# KiCad board RadianceTKL.kicad_pcb (continued)
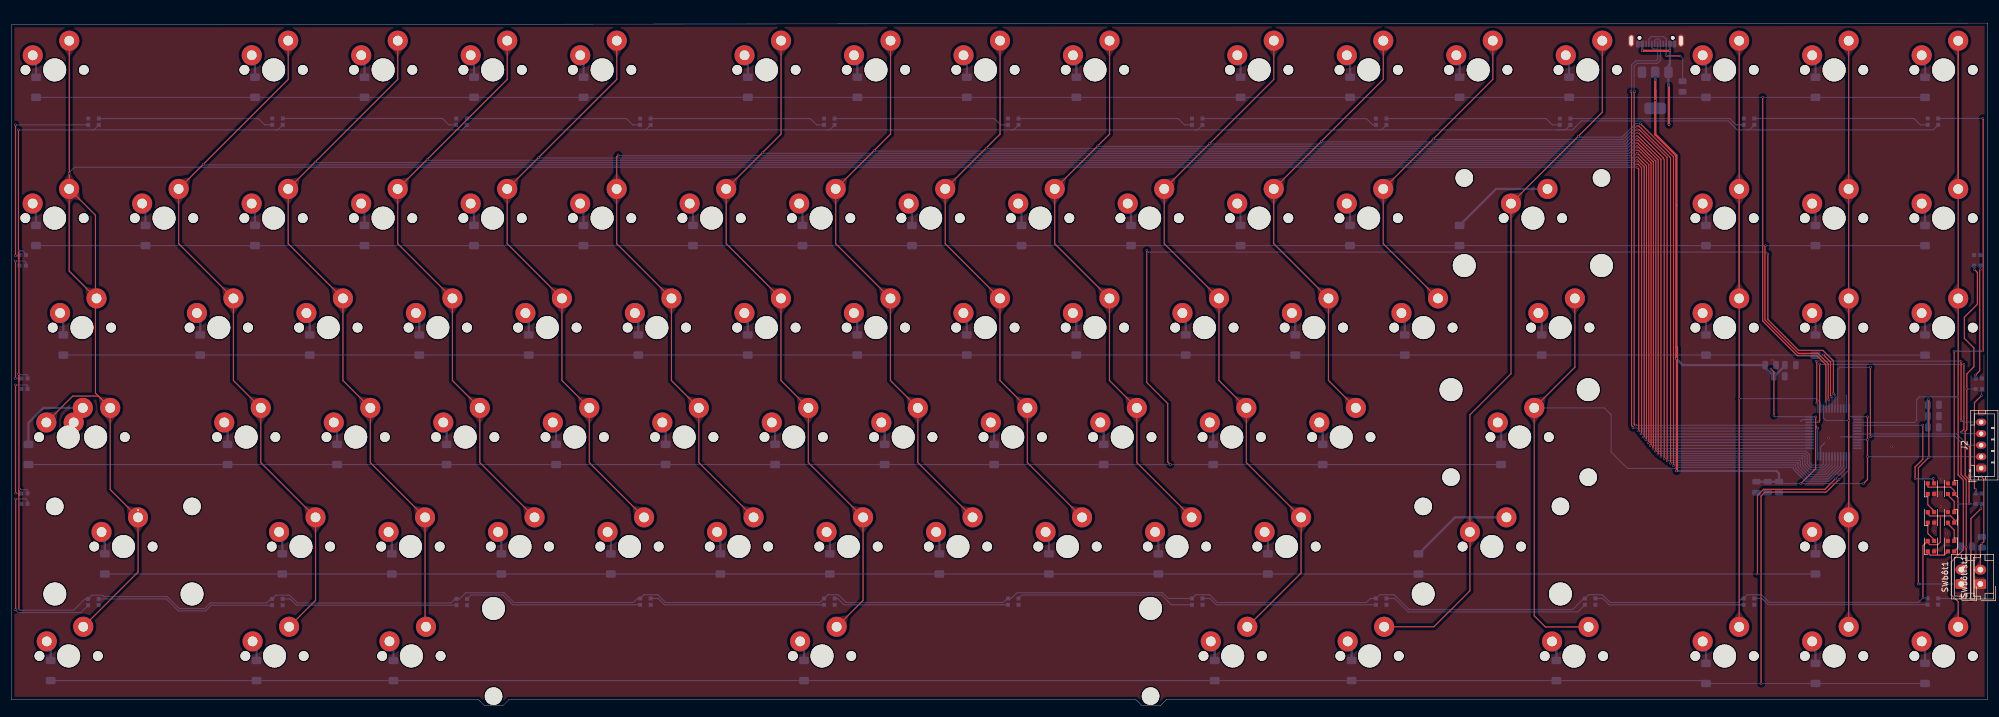
[diagram p0: board, top side]
## Nets (continued)
Net-(D26-A): D26.2 SW26.1
Net-(D27-A): D27.2 SW27.1
Net-(D28-A): D28.2 SW28.1
Net-(D29-A): D29.2 SW29.1
Net-(D30-A): D30.2 SW30.1
Net-(D31-A): D31.2 SW31.1
Net-(D32-A): D32.2 SW32.1
Net-(D33-DIN): D33.3 D88.1
Net-(D34-A): D34.2 SW34.1
Net-(D35-A): D35.2 SW35.1
Net-(D36-A): D36.2 SW36.1
Net-(D37-A): D37.2 SW37.1
Net-(D38-A): D38.2 SW38.1
Net-(D39-A): D39.2 SW39.1
Net-(D40-A): D40.2 SW40.1
Net-(D41-A): D41.2 SW41.1
Net-(D42-A): D42.2 SW42.1
Net-(D43-A): D43.2 SW43.1
Net-(D44-A): D44.2 SW44.1
Net-(D45-A): D45.2 SW45.1
Net-(D46-A): D46.2 SW46.1
Net-(D47-A): D47.2 SW47.1
Net-(D48-A): D48.2 SW48.1
Net-(D49-A): D49.2 SW49.1 SW1002.2
Net-(D50-A): D50.2 SW50.1
Net-(D51-A): D51.2 SW51.1
Net-(D52-A): D52.2 SW52.1
Net-(D53-A): D53.2 SW53.1
Net-(D54-A): D54.2 SW54.1
Net-(D55-A): D55.2 SW55.1
Net-(D56-A): D56.2 SW56.1
Net-(D57-A): D57.2 SW57.1
Net-(D58-A): D58.2 SW58.1
Net-(D59-A): D59.2 SW59.1
Net-(D60-A): D60.2 SW60.1
Net-(D61-A): D61.2 SW61.1
Net-(D62-A): D62.2 SW62.1
Net-(D63-A): D63.2 SW63.1
Net-(D64-A): D64.2 SW64.1
Net-(D65-A): D65.2 SW65.1
Net-(D66-A): D66.2 SW66.1
Net-(D67-A): D67.2 SW67.1
Net-(D68-A): D68.2 SW68.1
Net-(D69-A): D69.2 SW69.1
Net-(D70-A): D70.2 SW70.1
Net-(D71-A): D71.2 SW71.1
Net-(D72-A): D72.2 SW72.1
Net-(D73-A): D73.2 SW73.1
Net-(D74-A): D74.2 SW74.1
Net-(D75-A): D75.2 SW75.1
Net-(D76-A): D76.2 SW76.1
Net-(D77-A): D77.2 SW77.1
Net-(D78-A): D78.2 SW78.1
Net-(D79-A): D79.2 SW1000.2
Net-(D80-DOUT): D80.1 D89.3
Net-(D81-A): D81.2 SW81.1
Net-(D82-A): D82.2 SW82.1
Net-(D83-DOUT): D83.1 D84.3
Net-(D84-DOUT): D84.1 D85.3
Net-(D85-DOUT): D85.1 D87.3
Net-(D86-A): D86.2 SW86.1
Net-(D87-DOUT): D87.1 D88.3
Net-(D89-DOUT): D89.1 D91.3
Net-(D90-A): D90.2 SW90.1
Net-(D91-DOUT): D91.1 D92.3
Net-(D92-DOUT): D92.1 D98.3
Net-(D93-A): D93.2 SW93.1
Net-(D94-A): D94.2 SW94.1
Net-(D95-A): D95.2 SW95.1
Net-(D96-A): D96.2 SW96.1
Net-(D97-A): D97.2 SW97.1
Net-(D98-DOUT): D98.1 D99.3
Net-(D100-DIN): D99.1 D100.3
Net-(D100-DOUT): D100.1 D101.3
Net-(D101-DOUT): D101.1 D102.3
Net-(D102-DOUT): D102.1 D103.3
Net-(D103-DOUT): D103.1 D104.3
Net-(D104-DOUT): D104.1 D105.3
Net-(D105-DOUT): D105.1 D106.3
Net-(D106-DOUT): D106.1 D107.3
Net-(D107-DOUT): D107.1 D108.3
Net-(D108-DOUT): D108.1 D109.3
Net-(D109-DOUT): D109.1 D110.3
Net-(D110-DOUT): D110.1 D111.3
Net-(D111-DOUT): D111.1 D112.3
Net-(D112-DOUT): D112.1 D113.3
Net-(D113-DOUT): D113.1 D114.3
Net-(D114-DOUT): D114.1 D115.3
Net-(D115-DOUT): D115.1 D116.3
Net-(D116-DOUT): D116.1 D117.3
Net-(D117-DOUT): D117.1 D118.3
Net-(D118-DOUT): D118.1 D119.3
Net-(D119-DOUT): D119.1 D120.3
Net-(J1-CC1): J1.A5 J1.B5 R2.1

Pads without a net: D120 1; J1 A8 B8; U6 2 5 6 10 11 12 45 46

## Via types
v1: diameter 0.4, hole 0.3, Top to Bottom, 140 vias

## Routing (per net, layer and track width the routed paths; a pad name or vN(x,y) marks a point on that pad's centre or on a via; arc(x,y) is an arc through that point)
+3.3V: length 255.8
  Top w0.2: 313.85,48.8 313.85,41.2 v1(311.28,38.62) ; 313.85,48.8 313.85,48.62 v1(314.17,48.3) ; 313.85,48.8 313.85,50.17 v1(313.9,50.23) ; v1(322.17,38.62) 322.88,39.33 v1(322.88,43.33) 322.88,46.77 ; v1(306.08,58.55) 306.6,58.02 v1(306.6,50.48) ; v1(322.88,50.23) 322.88,46.77 ; 322.88,46.77 322.88,46.27 v1(322.85,46.25) ; v1(333.45,53.23) 333.55,53.12 v1(333.55,43.2) 331.72,41.38 v1(331.72,21.12)
  Top w0.4: 285.95,107.05 285.95,99.38 289.62,95.7 289.62,62.42 ; 285.95,107.05 v1(285.95,108.85) ; 285.95,107.05 v1(285.95,105.27) ; v1(289.65,40.82) 289.72,40.89 289.72,62.33 289.62,62.42 ; 289.62,62.42 v1(289.62,60.35)
  Bottom w0.2: v1(322.88,43.33) 322.9,43.3 334.5,43.3 ; C5.2 306.08,57.8 v1(306.08,58.55) ; U6.9 321.12,46.25 v1(322.85,46.25) ; J2.2 334.5,43.3 ; 334.5,43.3 333.65,43.3 v1(333.55,43.2) ; v1(331.72,21.12) 332.05,21.12 332.08,21.15 SWbôt1.1 ; C6.2 307.81,38.62 v1(311.28,38.62) v1(322.17,38.62) ; v1(322.88,50.23) 322.84,50.26 U6.1 319.94,50.26 319.7,50.5 U6.48 ; C1.2 333.45,52.38 v1(333.45,53.23) ; U6.24 314.2,48.27 v1(314.17,48.3) ; v1(313.9,50.23) 312.82,50.23 U6.36 306.81,50.26 v1(306.6,50.48)
  Bottom w0.4: v1(285.95,105.27) 285.95,103.91 U2.2 ; v1(285.95,108.85) 285.94,108.86 U2.2 ; C3.2 333.4,48.41 C1.2 ; C8.2 C6.2 307.48,40.41 307.08,40.82 v1(289.65,40.82) ; C4.2 308.5,59.12 306.67,57.29 C5.2 305.07,58.8 C9.2 290.73,59.24 v1(289.62,60.35)
+5V: length 902.9
  Top w0.2: 1.29,77.77 1.21,77.85 1.21,100.16 v1(1.2,100.17) ; 1.29,77.77 1.29,56.48 ; 1.29,77.77 1.29,79.11 v1(1.3,79.12) ; v1(340.55,35.09) 340.55,39.33 339.86,40.02 339.86,47.72 340.15,48.01 v1(340.15,55.13) 340.15,57.7 341.39,58.94 341.39,62.22 339.72,63.89 339.72,67.55 341.99,69.82 341.99,75.36 v1(341.51,75.84) ; D87.4 338.61,27.47 338.61,33 ; 1.29,36.5 1.29,37.55 v1(1.4,37.67) ; 1.29,36.5 v1(1.29,16.81) ; 1.29,36.5 1.29,56.48 ; v1(332.53,18.73) 332.53,27.81 D85.4 333.36,28.34 333.7,28 335.11,28 335.55,28.43 335.55,33 ; 1.29,56.48 1.29,57.6 v1(1.24,57.65) ; D84.4 333.36,33.37 333.73,33 335.55,33 ; 338.61,33 338.61,32.47 D88.4 337.96,32.37 337.33,33 335.55,33 ; 338.61,33 v1(338.61,35.1) 338.61,36.16 D33.4 337.96,37.38 337.35,38 333.46,38 333.36,38.1 D83.4
  Top w0.4: v1(288.33,107.85) 288.33,101.1 v1(288.35,101.08) ; v1(288.5,114) 288.42,113.92 v1(283.7,113.92)
  Bottom w0.2: 205.8,100.17 238,100.17 ; 205.8,100.17 173.77,100.17 ; 205.8,100.17 206.33,100.17 D92.4 ; 238,100.17 268.9,100.17 ; 238,100.17 238.33,100.17 D91.4 ; D99.4 142.33,100.17 141.73,100.17 ; 79.2,101.04 78.33,100.17 78.17,100.17 ; 268.9,100.17 271.55,100.17 273.11,101.73 298.64,101.73 300.2,100.17 301.97,100.17 ; 268.9,100.17 270.33,100.17 D89.4 ; v1(340.15,55.13) 340.2,55.08 D119.4 ; 141.73,100.17 173.77,100.17 ; 141.73,100.17 110.33,100.17 ; 173.77,100.17 174.33,100.17 D98.4 ; v1(1.29,16.81) 1.52,16.58 10.81,16.58 12.78,18.55 D107.4 13.99,19.2 15.8,19.2 16.05,18.95 27.09,18.95 29.17,16.88 33.61,16.88 34.58,17.85 44.42,17.85 45.12,18.55 D108.4 45.99,19.2 48.38,19.2 49.73,17.85 76.48,17.85 77.17,18.55 D109.4 77.95,18.55 79.02,19.62 85.7,19.62 87.39,17.92 108.2,17.92 108.9,18.62 D110.4 110.01,19.27 112.41,19.27 113.76,17.92 140.6,17.92 141.3,18.62 D111.4 142.01,19.27 143.84,19.27 145.19,17.92 172.52,17.92 173.23,18.62 D112.4 173.89,18.62 174.88,19.62 200.25,19.62 201.24,18.62 D113.4 206.01,19.27 208.41,19.27 209.76,17.92 235.7,17.92 236.4,18.62 D114.4 238.01,19.27 240.54,19.27 243.12,16.7 271.59,16.7 273.51,18.62 D115.4 274.36,19.27 276.76,19.27 278.11,17.92 300.33,17.92 301.03,18.62 D116.4 301.98,19.27 304.43,19.27 305.76,17.95 331.75,17.95 v1(332.53,18.73) 333.26,18.73 D117.4 ; D120.4 341.42,75.92 v1(341.51,75.84) ; v1(1.3,79.12) 1.96,79.12 2.51,78.58 D104.4 ; D80.4 302.3,100.17 301.97,100.17 ; 301.97,100.17 334.3,100.17 D15.4 ; 45.88,100.17 46.32,100.17 47.2,101.05 ; 45.88,100.17 13.9,100.17 ; 45.88,100.17 78.17,100.17 ; D106.4 2.8,37.47 2.7,37.57 1.5,37.57 v1(1.4,37.67) ; 13.9,100.17 14.33,100.17 15.2,101.04 ; 13.9,100.17 v1(1.2,100.17) ; 110.33,100.17 78.17,100.17 ; 110.33,100.17 D100.4 ; v1(1.24,57.65) 1.32,57.57 2.7,57.57 2.8,57.47 D105.4 ; D118.4 338.62,35.09 v1(338.61,35.1)
  Bottom w0.4: 288.33,101.63 288.33,101.3 288.35,101.27 v1(288.35,101.08) ; v1(288.33,107.85) 288.24,107.94 U2.3 288.24,111.31 288.5,111.58 v1(288.5,114) J1.A9 ; J1.A4 v1(283.7,113.92)
GND: length 9.5
  Bottom w0.2: 318.27,46.73 318.3,46.76 U6.8 ; v1(311.32,49.52) 311.56,49.76 U6.35 ; U6.47 319.2,53.92 319.11,54.01 ; U6.23 314.7,44.96 315.44,45.7
  vias: v1(306.33,60.12) v1(316.08,46.52) v1(327.08,45.07) v1(334.5,30.33) v1(335.58,36.9) v1(335.64,34.61) v1(335.69,39.38) v1(336.64,29.96)
boot: length 65.2
  Top w0.2: 340.05,27.17 v1(340.05,27.6) ; 340.05,27.17 340.05,24.51 SWbôt1.2 ; 340.05,27.17 340.05,39.27 339.15,40.17 v1(339.15,45.82) ; v1(323.38,46.76) 323.38,58.83 v1(323.4,58.85)
  Bottom w0.2: v1(339.15,45.82) 338.11,46.86 323.47,46.86 v1(323.38,46.76) ; U6.44 317.7,58.5 318.05,58.85 v1(323.4,58.85) ; R1.1 339.24,27.6 v1(340.05,27.6)
C0: length 494.8
  Top w0.2: SW49.2 14.6,54.36 14.6,85.32 SW1.2 ; SW49.2 15.12,53.84 10.65,53.84 SW1002.1 ; SW49.2 17.17,37.58 SW65.2 22.01,23.23 SW77.2 ; SW1.2 10.05,89.91 v1(10.05,92.6) SW19.2 ; SW1.2 10.03,75.6 SW24.2 ; v1(282.8,93.65) 283.08,93.38 v1(283.08,47.76)
  Bottom w0.2: v1(10.05,92.6) 10.05,92.62 10,92.67 10.99,93.67 282.78,93.67 v1(282.8,93.65) ; U6.31 v1(283.08,47.76)
C1: length 448
  Top w0.2: v1(283.46,47.26) 283.58,47.37 283.58,93.58 282.91,94.25 v1(282.78,94.25) ; SW78.2 52.89,18.3 SW66.2 43.37,42.26 SW54.2 38.61,56.55 SW37.2 29.08,80.37 SW2.2 v1(33.39,94.21) 48.14,108.95 SW20.2
  Bottom w0.2: v1(283.46,47.26) 283.5,47.23 312.75,47.23 U6.30 ; v1(282.78,94.25) 282.6,94.25 282.42,94.07 33.53,94.07 v1(33.39,94.21)
C2: length 427.6
  Top w0.2: v1(282.78,94.85) 282.88,94.85 284.03,93.71 284.03,46.86 v1(283.89,46.73) ; SW81.2 71.94,13.86 SW68.2 62.42,42.26 SW55.2 57.65,56.55 SW38.2 48.13,80.37 SW3.2 v1(52.82,94.58) 67.19,108.95 SW21.2
  Bottom w0.2: v1(282.78,94.85) 282.63,94.85 282.25,94.47 52.93,94.47 v1(52.82,94.58) ; U6.29 283.93,46.76 v1(283.89,46.73)
C3: length 390
  Top w0.2: SW22.2 86.24,108.95 v1(72.29,95) SW4.2 67.18,80.37 SW39.2 76.71,56.55 SW56.2 81.47,42.26 SW69.2 ; v1(282.8,95.45) 282.88,95.45 283.67,94.66 283.67,94.62 284.42,93.87 284.42,46.39 v1(284.3,46.26)
  Bottom w0.2: v1(282.8,95.45) 282.67,95.45 282.09,94.88 72.42,94.88 v1(72.29,95) ; U6.28 300.21,46.26 300.18,46.23 284.34,46.23 v1(284.3,46.26)
C4: length 371.6
  Top w0.2: SW23.2 105.29,108.95 v1(91.72,95.38) SW5.2 86.23,80.37 SW40.2 95.75,56.55 SW57.2 100.52,42.26 SW70.2 ; v1(284.71,45.73) 284.83,45.84 284.83,94.13 282.85,96.1 v1(282.83,96.1)
  Bottom w0.2: v1(282.83,96.1) 282.74,96.1 282.18,95.54 282.18,95.52 281.93,95.27 91.83,95.27 v1(91.72,95.38) ; v1(284.71,45.73) 284.74,45.76 U6.27
C5: length 331
  Top w0.2: v1(282.78,96.7) 282.87,96.6 283.03,96.6 285.22,94.41 285.22,45.4 v1(285.08,45.25) ; v1(105.55,95.77) 105.28,95.5 SW6.2 105.28,80.37 SW41.2 114.8,56.55 SW58.2 119.57,42.26 SW71.2
  Bottom w0.2: U6.26 285.08,45.26 v1(285.08,45.25) ; v1(282.78,96.7) 282.6,96.7 281.58,95.67 105.65,95.67 v1(105.55,95.77)
C6: length 351.5
  Top w0.2: v1(282.78,97.3) 282.9,97.3 285.62,94.57 285.62,45.09 285.56,45.03 v1(285.56,44.76) ; SW25.2 133.87,99.43 v1(130.63,96.19) SW7.2 124.33,80.37 SW42.2 133.86,56.55 SW59.2 138.62,42.26 SW72.2 148.14,18.3 SW86.2
  Bottom w0.2: v1(282.78,97.3) 282.63,97.3 281.41,96.08 130.75,96.08 v1(130.63,96.19) ; U6.25 v1(285.56,44.76)
C7: length 317.7
  Top w0.2: SW26.2 152.92,99.43 v1(150.08,96.59) SW8.2 143.38,80.37 SW43.2 152.9,56.55 SW60.2 157.67,42.26 SW73.2 ; v1(285.92,44.26) 286.06,44.39 286.06,94.72 282.88,97.9 v1(282.78,97.9)
  Bottom w0.2: U6.22 315.2,42.05 314.97,41.83 313.22,41.83 312.78,42.27 312.78,43.62 312.15,44.25 285.94,44.25 v1(285.92,44.26) ; v1(282.78,97.9) 282.67,97.9 282.57,97.8 282.57,97.8 281.24,96.48 150.2,96.48 v1(150.08,96.59)
C8: length 299.8
  Top w0.2: SW27.2 171.97,99.43 SW9.2 162.43,80.37 171.96,70.84 171.96,56.55 SW61.2 176.72,42.26 SW74.2 ; v1(286.41,43.75) 286.46,43.8 286.46,94.92 282.98,98.4 282.88,98.4 v1(282.78,98.5)
  Bottom w0.2: v1(286.41,43.75) 286.51,43.85 311.98,43.85 312.38,43.46 312.38,42.11 313.06,41.42 315.14,41.42 315.7,41.99 U6.21 ; v1(169.58,96.98) 169.66,96.89 281.09,96.89 281.09,96.92 282.57,98.4 282.67,98.4 v1(282.78,98.5)
C9: length 281.8
  Top w0.2: SW28.2 191.02,99.43 v1(188.98,97.39) SW10.2 181.48,80.37 SW45.2 191,56.55 SW62.2 195.77,42.26 SW75.2 ; v1(282.78,99.1) 282.88,99.1 286.94,95.04 v1(286.94,43.35)
  Bottom w0.2: U6.20 316.2,41.92 315.31,41.02 312.89,41.02 311.97,41.94 311.97,43.27 311.8,43.45 287.04,43.45 v1(286.94,43.35) ; v1(188.98,97.39) 189.09,97.29 280.89,97.29 281.63,98.02 281.63,98.06 282.67,99.1 v1(282.78,99.1)
C10: length 290.7
  Top w0.2: v1(287.51,42.95) 287.51,95.03 287.34,95.21 287.34,95.32 v1(283,99.65) ; SW90.2 224.34,23.06 SW76.2 214.82,42.26 SW63.2 210.05,56.55 SW46.2 200.53,80.37 SW11.2 v1(208.43,97.79) 219.59,108.95 SW29.2
  Bottom w0.2: v1(208.43,97.79) 208.54,97.69 280.69,97.69 281.23,98.22 281.23,98.26 282.62,99.65 v1(283,99.65) ; U6.19 316.7,41.85 315.47,40.62 312.73,40.62 311.58,41.78 311.58,43.05 311.46,43.05 311.47,43.05 287.61,43.05 v1(287.51,42.95)
C11: length 226.7
  Top w0.2: SW30.2 238.64,108.95 v1(227.88,98.19) SW12.2 219.58,80.37 SW47.2 229.11,56.55 SW64.2 ; v1(288.01,42.55) 288.01,42.55 288.01,95.35 283.16,100.21 v1(282.78,100.21)
  Bottom w0.2: U6.18 317.2,41.79 315.64,40.23 312.56,40.23 311.17,41.61 311.17,42.65 311.03,42.65 311.05,42.65 288.11,42.65 v1(288.01,42.55) ; v1(282.78,100.21) 282.61,100.21 280.49,98.09 227.99,98.09 v1(227.88,98.19)
C12: length 187.4
  Top w0.2: SW31.2 257.69,108.95 v1(247.33,98.59) SW13.2 238.63,80.37 SW48.2 ; v1(288.61,42.15) 288.61,95.32 283.12,100.81 v1(282.78,100.81)
  Bottom w0.2: U6.17 317.7,41.72 315.8,39.83 312.4,39.83 310.78,41.45 310.78,42.23 310.75,42.25 288.71,42.25 v1(288.61,42.15) ; v1(282.78,100.81) 282.65,100.81 280.32,98.49 247.44,98.49 v1(247.33,98.59)
C13: length 229.6
  Top w0.2: v1(289.12,41.75) 289.12,95.5 v1(283.39,101.23) ; SW32.2 276.74,103.24 v1(272.57,99.06) SW1001.1 260.86,57.73 253.71,50.59 SW1000.1 253.71,19.96 247.45,13.7 SW93.2
  Bottom w0.2: v1(283.39,101.23) 283.31,101.31 282.57,101.31 281.95,100.69 281.95,100.68 280.16,98.89 272.74,98.89 v1(272.57,99.06) ; U6.16 318.2,41.66 315.97,39.42 312.23,39.42 310.38,41.28 310.38,41.85 289.22,41.85 v1(289.12,41.75)
C14: length 134.5
  Top w0.2: SW50.2 271.97,58.86 SW67.2 264.9,15.6 266.82,13.68 SW94.2
  Bottom w0.2: U6.15 318.7,41.59 316.13,39.02 312.07,39.02 309.97,41.12 309.97,41.45 309.97,41.45 289.6,41.45 289.4,41.25 281.12,41.25 278.27,44.1 278.27,50.59 277.08,51.79 SW67.2
C15: length 136.5
  Top w0.2: SW34.2 SW16.2 ; SW16.2 v1(300.55,53.4) SW95.2 ; SW16.2 SW51.2
  Bottom w0.2: v1(300.55,53.4) 314,53.4 314.7,52.7 314.7,51.67 U6.38
C16: length 146.3
  Top w0.2: SW35.2 SW17.2 v1(319.6,49.6) SW82.2 ; SW82.2 SW52.2 ; SW82.2 SW96.2
  Bottom w0.2: v1(319.6,49.6) 315.65,49.6 315.2,50.05 U6.39
C17: length 151
  Top w0.2: SW18.2 SW36.2 SW53.2 v1(338.65,53.7) 338.65,40.1 339.55,39.2 339.55,27.11 337.45,25 337.45,19.25 338.65,18.05 SW97.2
  Bottom w0.2: v1(338.65,53.7) 338.62,53.73 331.92,53.73 331.42,53.23 331.42,49.62 331.06,49.26 U6.3
CLK: length 47.5
  Top w0.2: v1(314.05,52.65) 314.05,59.8 v1(313.92,59.92) ; v1(339.15,59.85) v1(339.15,49.55)
  Bottom w0.2: v1(339.15,59.85) 339.08,59.92 v1(313.92,59.92) ; J2.5 339.6,49.3 339.35,49.55 v1(339.15,49.55) ; v1(314.05,52.65) 314.2,52.49 U6.37
D+: length 103.3
  Top w0.2: v1(282.38,106.83) 282.28,106.73 282.28,48.92 282.39,48.8 v1(282.53,48.8)
  Bottom w0.2: U6.33 282.57,48.76 v1(282.53,48.8) ; J1.A6 285.85,115.72 286.12,115.99 286.58,115.99 286.85,115.72 J1.B6 286.85,114.25 286.83,114.22 286.83,112.26 286.31,111.74 282.76,111.74 282.28,111.26 282.28,106.92 v1(282.38,106.83)
D-: length 103.4
  Top w0.2: v1(281.72,106.83) 281.82,106.73 281.82,48.73 282.07,48.49 v1(282.07,48.35)
  Bottom w0.2: v1(281.72,106.83) 281.82,106.92 281.82,111.44 282.58,112.19 286.13,112.19 286.38,112.44 286.38,114.22 286.35,114.25 ; U6.32 282.16,48.26 v1(282.07,48.35) ; 286.35,114.25 286.34,114.24 285.62,114.24 285.35,114.5 J1.B7 ; 286.35,114.25 J1.A7
DIO: length 52.6
  Top w0.2: v1(339.65,59.4) 339.65,48.08 v1(339.15,47.58) ; v1(314.55,59.42) 314.55,49.55 v1(314.35,49.35)
  Bottom w0.2: v1(314.35,49.35) 314.26,49.26 U6.34 ; v1(339.15,47.58) 339.42,47.3 J2.4 ; v1(314.55,59.42) 314.62,59.35 339.6,59.35 v1(339.65,59.4)
R0: length 389.3
  Top w0.2: v1(315.64,52.84) 315.64,59.29 314.06,60.87 310.68,60.87 304.64,66.91 v1(304.64,105.82)
  Bottom w0.2: D36.1 v1(304.64,105.82) D19.1 ; v1(315.64,52.84) 315.7,52.78 U6.40
R1: length 363.7
  Top w0.2: v1(305.14,80.02) 305.04,79.92 305.04,67.08 310.85,61.27 314.23,61.27 316.04,59.46 316.04,53.22 316.05,53.21 v1(316.14,53.21)
  Bottom w0.2: v1(316.14,53.21) 316.2,53.15 U6.41 ; D1.1 4.26,80.02 D18.1
R2: length 333.8
  Top w0.2: v1(316.54,53.79) 316.44,53.89 316.44,59.76 v1(315.2,61.01)
  Bottom w0.2: U6.42 316.7,53.62 v1(316.54,53.79) ; D24.1 311.97,60.98 311.98,60.97 D53.1
R3: length 437.7
  Top w0.2: v1(305.54,78.57) 305.54,67.14 310.88,61.8 315.11,61.8 316.94,59.97 v1(316.94,54.29) ; v1(197.49,79.21) 197.49,56.2 201.14,52.55 201.14,42.39 v1(201.6,41.93)
  Bottom w0.2: v1(316.94,54.29) 317.2,54.03 U6.43 ; v1(305.54,78.57) 305.21,78.9 197.8,78.9 v1(197.49,79.21) ; D49.1 v1(201.6,41.93) D67.1
R4: length 330.7
  Top w0.2: v1(317.28,39.44) 315.46,37.62 304.81,37.62 303.73,36.54 303.73,22.99 v1(303.62,22.88)
  Bottom w0.2: U6.14 319.2,41.36 v1(317.28,39.44) ; D82.1 v1(303.62,22.88) D65.1
R5: length 378.5
  Top w0.2: v1(304.38,3.83) 304.36,3.85 304.36,36.46 305.04,37.14 315.69,37.14 317.93,39.38 v1(317.93,39.3)
  Bottom w0.2: D77.1 D94.1 294.2,4.34 294.71,3.83 D95.1 v1(304.38,3.83) D97.1 ; v1(317.93,39.3) 319.7,41.07 U6.13
RGB: length 25.4
  Top w0.2: v1(332.49,48.8) 332.49,42.84 331.15,41.5 v1(331.15,39.45) ; v1(334.33,39.52) 334.33,38.78 D83.3
  Bottom w0.2: v1(334.33,39.52) 334.25,39.45 v1(331.15,39.45) ; U6.4 332.45,48.76 v1(332.49,48.8)
RST: length 47.2
  Top w0.2: SWbôtrst1.2 342.51,27.9 v1(342.78,28.17) 343.1,28.5 343.1,39.4 v1(342.7,39.8) ; v1(340.75,39.85) 340.6,40 340.6,45.08 v1(340.38,45.3)
  Bottom w0.2: v1(340.75,39.85) 340.8,39.8 v1(342.7,39.8) ; v1(342.78,28.17) C10.1 ; J2.3 v1(340.38,45.3) 338.41,47.26 U6.7
Net-(D1-A): length 4.1
  Bottom w0.4: D1.2 4.25,86.77 SW1.1
Net-(D2-A): length 4.1
  Bottom w0.4: SW2.1 23.3,86.77 D2.2
Net-(D3-A): length 4.1
  Bottom w0.4: D3.2 42.36,86.77 SW3.1
Net-(D4-A): length 4.1
  Bottom w0.4: SW4.1 61.4,86.77 D4.2
Net-(D5-A): length 4.1
  Bottom w0.4: D5.2 80.46,86.77 SW5.1
Net-(D6-A): length 4.1
  Bottom w0.4: SW6.1 99.5,86.77 D6.2
Net-(D7-A): length 4.1
  Bottom w0.4: D7.2 118.55,86.77 SW7.1
Net-(D8-A): length 4.1
  Bottom w0.4: D8.2 137.61,86.77 SW8.1
Net-(D9-A): length 4.1
  Bottom w0.4: SW9.1 156.65,86.77 D9.2
Net-(D10-A): length 4.1
  Bottom w0.4: SW10.1 175.71,86.77 D10.2
Net-(D11-A): length 4.1
  Bottom w0.4: SW11.1 194.75,86.77 D11.2
Net-(D12-A): length 4.1
  Bottom w0.4: SW12.1 213.8,86.77 D12.2
Net-(D13-A): length 4.1
  Bottom w0.4: D13.2 232.86,86.77 SW13.1
Net-(D14-A): length 17.9
  Bottom w0.4: SW1001.2 258.26,89.89 D14.2
Net-(D15-DIN): length 76.3
  Top w0.2: v1(342.92,102.15) 343,102.08 343,61.81 v1(342.89,61.7) ; D33.1 337.96,61.62 v1(337.92,61.65)
  Bottom w0.2: v1(337.92,61.65) 342.84,61.65 v1(342.89,61.7) ; v1(342.92,102.15) D15.3
Net-(D15-DOUT): length 30.6
  Bottom w0.2: D15.1 332.05,101.05 330.94,102.15 D80.3
Net-(D16-A): length 4.1
  Bottom w0.4: D16.2 294.78,86.76 SW16.1
Net-(D17-A): length 4.1
  Bottom w0.4: D17.2 313.83,86.76 SW17.1
Net-(D18-A): length 4.1
  Bottom w0.4: D18.2 332.88,86.76 SW18.1
Net-(D19-A): length 4.1
  Bottom w0.4: D19.2 4.27,112.57 SW19.1
Net-(D20-A): length 4.1
  Bottom w0.4: D20.2 42.37,112.58 SW20.1
Net-(D21-A): length 4.1
  Bottom w0.4: D21.2 61.41,112.58 SW21.1
Net-(D22-A): length 4.1
  Bottom w0.4: SW22.1 80.47,112.58 D22.2
Net-(D23-A): length 4.1
  Bottom w0.4: D23.2 99.51,112.58 SW23.1
Net-(D24-A): length 4.1
  Bottom w0.4: SW24.1 9.02,67.73 D24.2
Net-(D25-A): length 4.1
  Bottom w0.4: D25.2 128.1,112.58 SW25.1
Net-(D26-A): length 4.1
  Bottom w0.4: SW26.1 147.14,112.58 D26.2
Net-(D27-A): length 4.1
  Bottom w0.4: SW27.1 166.2,112.58 D27.2
Net-(D28-A): length 4.1
  Bottom w0.4: D28.2 185.25,112.58 SW28.1
Net-(D29-A): length 4.1
  Bottom w0.4: D29.2 213.82,112.58 SW29.1
Net-(D30-A): length 4.1
  Bottom w0.4: D30.2 232.87,112.58 SW30.1
Net-(D31-A): length 4.1
  Bottom w0.4: D31.2 251.91,112.58 SW31.1
Net-(D32-A): length 4.1
  Bottom w0.4: SW32.1 270.97,112.58 D32.2
Net-(D33-DIN): length 3.6
  Top w0.2: D33.3 336.86,36.62 337.96,35.51 D88.1
Net-(D34-A): length 4.1
  Bottom w0.4: SW34.1 294.78,112.57 D34.2
Net-(D35-A): length 4.1
  Bottom w0.4: SW35.1 313.83,112.57 D35.2
Net-(D36-A): length 4.1
  Bottom w0.4: D36.2 332.88,112.57 SW36.1
Net-(D37-A): length 4.1
  Bottom w0.4: SW37.1 32.83,67.73 D37.2
Net-(D38-A): length 4.1
  Bottom w0.4: 51.3,68.3 51.88,67.73 D38.2
Net-(D39-A): length 4.1
  Bottom w0.4: SW39.1 70.93,67.73 D39.2
Net-(D40-A): length 4.1
  Bottom w0.4: 89.4,68.3 89.98,67.73 D40.2
Net-(D41-A): length 4.1
  Bottom w0.4: SW41.1 109.03,67.73 D41.2
Net-(D42-A): length 4.1
  Bottom w0.4: D42.2 128.08,67.73 127.5,68.3
Net-(D43-A): length 4.1
  Bottom w0.4: D43.2 147.13,67.73 SW43.1
Net-(D44-A): length 4.1
  Bottom w0.4: SW44.1 166.18,67.73 D44.2
Net-(D45-A): length 4.1
  Bottom w0.4: SW45.1 185.23,67.73 D45.2
Net-(D46-A): length 4.1
  Bottom w0.4: SW46.1 204.28,67.73 D46.2
Net-(D47-A): length 4.1
  Bottom w0.4: SW47.1 223.33,67.73 D47.2
Net-(D48-A): length 4.1
  Bottom w0.4: 241.8,68.3 242.38,67.73 D48.2
Net-(D49-A): length 14.3
  Bottom w0.4: D49.2 2.94,49.17 5.56,51.79 SW1002.2
Net-(D50-A): length 4.1
  Bottom w0.4: SW50.1 266.19,67.73 D50.2
Net-(D51-A): length 4.1
  Bottom w0.4: SW51.1 294.78,67.72 D51.2
Net-(D52-A): length 4.1
  Bottom w0.4: SW52.1 313.83,67.72 D52.2
Net-(D53-A): length 4.1
  Bottom w0.4: SW53.1 332.88,67.72 D53.2
Net-(D54-A): length 4.1
  Bottom w0.4: D54.2 37.59,48.67 SW54.1
Net-(D55-A): length 4.1
  Bottom w0.4: D55.2 56.64,48.67 SW55.1
Net-(D56-A): length 4.1
  Bottom w0.4: D56.2 75.69,48.67 SW56.1
Net-(D57-A): length 4.1
  Bottom w0.4: SW57.1 94.74,48.67 D57.2
Net-(D58-A): length 4.1
  Bottom w0.4: D58.2 113.79,48.67 SW58.1
Net-(D59-A): length 4.1
  Bottom w0.4: SW59.1 132.84,48.67 D59.2
Net-(D60-A): length 4.1
  Bottom w0.4: SW60.1 151.89,48.67 D60.2
Net-(D61-A): length 4.1
  Bottom w0.4: D61.2 170.94,48.67 SW61.1
Net-(D62-A): length 4.1
  Bottom w0.4: D62.2 189.99,48.67 SW62.1
Net-(D63-A): length 4.1
  Bottom w0.4: SW63.1 209.04,48.67 D63.2
Net-(D64-A): length 4.1
  Bottom w0.4: SW64.1 228.09,48.67 D64.2
Net-(D65-A): length 4.1
  Bottom w0.4: SW65.1 16.24,29.62 D65.2
Net-(D66-A): length 4.1
  Bottom w0.4: SW66.1 47.12,29.62 D66.2
Net-(D67-A): length 4.1
  Bottom w0.4: D67.2 259.12,48.67 SW67.1
Net-(D68-A): length 4.1
  Bottom w0.4: D68.2 66.17,29.62 SW68.1
Net-(D69-A): length 4.1
  Bottom w0.4: SW69.1 85.22,29.62 D69.2
Net-(D70-A): length 4.1
  Bottom w0.4: D70.2 104.27,29.62 SW70.1
Net-(D71-A): length 4.1
  Bottom w0.4: D71.2 123.32,29.62 SW71.1
Net-(D72-A): length 4.1
  Bottom w0.4: D72.2 142.37,29.62 SW72.1
Net-(D73-A): length 4.1
  Bottom w0.4: D73.2 161.42,29.62 SW73.1
Net-(D74-A): length 4.1
  Bottom w0.4: SW74.1 180.47,29.62 D74.2
Net-(D75-A): length 4.1
  Bottom w0.4: D75.2 199.52,29.62 SW75.1
Net-(D76-A): length 4.1
  Bottom w0.4: D76.2 218.57,29.62 SW76.1
Net-(D77-A): length 3.6
  Bottom w0.4: SW77.1 6.81,10.48 D77.2
Net-(D78-A): length 3.6
  Bottom w0.4: SW78.1 42.63,10.48 D78.2
Net-(D79-A): length 17.9
  Bottom w0.4: SW1000.2 251.12,32.74 D79.2
Net-(D80-DOUT): length 30.6
  Bottom w0.2: D89.3 298.92,102.13 300.01,101.05 D80.1
Net-(D81-A): length 3.6
  Bottom w0.4: D81.2 66.44,10.48 SW81.1
Net-(D82-A): length 4.1
  Bottom w0.4: D82.2 313.83,29.62 SW82.1
Net-(D83-DOUT): length 3.6
  Top w0.2: D83.1 333.36,34.95 334.46,33.85 D84.3
Net-(D84-DOUT): length 3.6
  Top w0.2: D84.1 333.36,29.95 334.46,28.85 D85.3
Net-(D85-DOUT): length 4.2
  Top w0.2: D85.1 333.36,26.62 333.81,26.16 336.21,26.16 D87.3
Net-(D86-A): length 3.6
  Bottom w0.4: SW86.1 137.88,10.48 D86.2
Net-(D87-DOUT): length 3.6
  Top w0.2: D88.3 336.86,31.62 337.96,30.51 D87.1
Net-(D89-DOUT): length 30.6
  Bottom w0.2: D89.1 268.05,101.03 266.96,102.13 D91.3
Net-(D90-A): length 3.6
  Bottom w0.4: D90.2 209.32,10.48 SW90.1
Net-(D91-DOUT): length 30.6
  Bottom w0.2: D92.3 235.71,102.13 236.8,101.03 D91.1
Net-(D92-DOUT): length 30.6
  Bottom w0.2: D98.3 202.96,102.13 204.05,101.03 D92.1
Net-(D93-A): length 3.6
  Bottom w0.4: D93.2 233.13,10.48 SW93.1
Net-(D94-A): length 3.6
  Bottom w0.4: D94.2 268.75,10.39 SW94.1
Net-(D95-A): length 4.1
  Bottom w0.4: SW95.1 294.78,10.58 D95.2
Net-(D96-A): length 4.1
  Bottom w0.4: SW96.1 313.83,10.58 D96.2
Net-(D97-A): length 4.1
  Bottom w0.4: D97.2 332.88,10.58 SW97.1
Net-(D98-DOUT): length 30.6
  Bottom w0.2: D98.1 172.05,101.03 170.96,102.13 D99.3
Net-(D100-DIN): length 30.6
  Bottom w0.2: D99.1 140.05,101.03 138.96,102.13 D100.3
Net-(D100-DOUT): length 30.6
  Bottom w0.2: D100.1 108.08,101.03 106.97,102.14 79.2,102.14
Net-(D101-DOUT): length 30.6
  Bottom w0.2: D101.1 76.09,101.04 74.98,102.15 47.2,102.15
Net-(D102-DOUT): length 30.6
  Bottom w0.2: D102.1 44.04,101.05 42.96,102.14 15.2,102.14
Net-(D103-DOUT): length 36.2
  Top w0.2: v1(0.7,101.05) v1(0.7,78.27)
  Bottom w0.2: v1(0.7,101.05) 0.71,101.04 D103.1 ; D104.3 1.31,78.27 v1(0.7,78.27)
Net-(D104-DOUT): length 23.9
  Top w0.2: v1(0.7,77.35) v1(0.7,56.9)
  Bottom w0.2: v1(0.7,77.35) 2.25,77.35 2.51,77.1 D104.1 ; v1(0.7,56.9) 1.68,56.9 D105.3
Net-(D105-DOUT): length 22.5
  Top w0.2: v1(0.73,36.92) 0.7,36.95 v1(0.7,55.77)
  Bottom w0.2: D105.1 2.8,55.63 2.66,55.77 v1(0.7,55.77) ; D106.3 1.69,36.92 v1(0.73,36.92)
Net-(D106-DOUT): length 35.4
  Top w0.2: v1(0.7,16.67) 0.73,16.7 v1(0.73,35.95)
  Bottom w0.2: v1(0.73,35.95) 2.49,35.95 2.8,35.63 D106.1 ; v1(0.7,16.67) 1.2,16.17 12.06,16.17 D107.3
Net-(D107-DOUT): length 31.4
  Bottom w0.2: D107.1 26.92,18.55 29,16.48 33.77,16.48 34.75,17.45 D108.3
Net-(D108-DOUT): length 30.7
  Bottom w0.2: D108.1 48.47,18.55 49.57,17.45 D109.3
Net-(D109-DOUT): length 31.1
  Bottom w0.2: D110.3 87.23,17.52 85.53,19.22 79.92,19.22 D109.1
Net-(D110-DOUT): length 30.6
  Bottom w0.2: D111.3 113.59,17.52 112.49,18.62 D110.1
Net-(D111-DOUT): length 30.6
  Bottom w0.2: D112.3 144.84,17.52 143.74,18.62 D111.1
Net-(D112-DOUT): length 31.1
  Bottom w0.2: D113.3 201.77,17.52 200.08,19.22 175.78,19.22 D112.1
Net-(D113-DOUT): length 30.6
  Bottom w0.2: D113.1 208.49,18.62 209.59,17.52 D114.3
Net-(D114-DOUT): length 36
  Bottom w0.2: D114.1 240.62,18.62 242.95,16.3 272.49,16.3 D115.3
Net-(D115-DOUT): length 26.3
  Bottom w0.2: D115.1 276.84,18.62 277.94,17.52 D116.3
Net-(D116-DOUT): length 30.6
  Bottom w0.2: D117.3 305.59,17.55 304.52,18.62 D116.1
Net-(D117-DOUT): length 22.9
  Top w0.2: v1(342.6,34.25) 340.88,32.52 340.88,18.73 v1(340.85,18.7)
  Bottom w0.2: v1(342.6,34.25) 342.6,34.88 D118.3 ; D117.1 340.8,18.65 v1(340.85,18.7)
Net-(D118-DOUT): length 18.8
  Top w0.2: v1(341.72,37.58) 341.47,37.83 341.47,52.7 v1(342.7,53.92)
  Bottom w0.2: v1(341.72,37.58) 341.7,37.55 D118.1 ; v1(342.7,53.92) 342.7,54.98 D119.3
Net-(D119-DOUT): length 20
  Top w0.2: v1(341.67,57.52) 342.39,58.24 342.39,75.72 v1(342.5,75.83)
  Bottom w0.2: D120.3 342.5,76.52 v1(342.5,75.83) ; D119.1 341.7,57.5 v1(341.67,57.52)
Net-(J1-CC1): length 14.1
  Top w0.2: v1(290.28,113.02) 287.92,113.02 v1(287.9,113.05)
  Bottom w0.2: v1(290.28,113.02) 290.7,112.6 R2.1 ; v1(287.9,113.05) 287.85,113.1 J1.B5 287.85,115.97 287.43,116.38 285.22,116.38 284.85,116.01 J1.A5

## Copper pours and planes (outline as drawn; the poured copper is in the pictures)
GND on Top, Bottom: -17.5,168.25 377,147.75 363.5,-29.75 -49.5,-40.75

Small or netless copper shapes (teardrops, artwork), in the pictures only: 156 on Top, 245 on Bottom
